# Altium PCB Layout.PcbDoc (part 1 of 4)
Units mil, origin at the board's own origin, x right, y up, seen from the top; angles counter-clockwise.
Board outline 11008.03 x 7942.91 mil, 4 copper layers (Top Layer, Mid 1, Mid 2, Bottom Layer), stack 23.712 mil thick; 525 components, 275 nets, 1569 pads, 373 vias.
Unrouted connection lines stored in the file: 16.
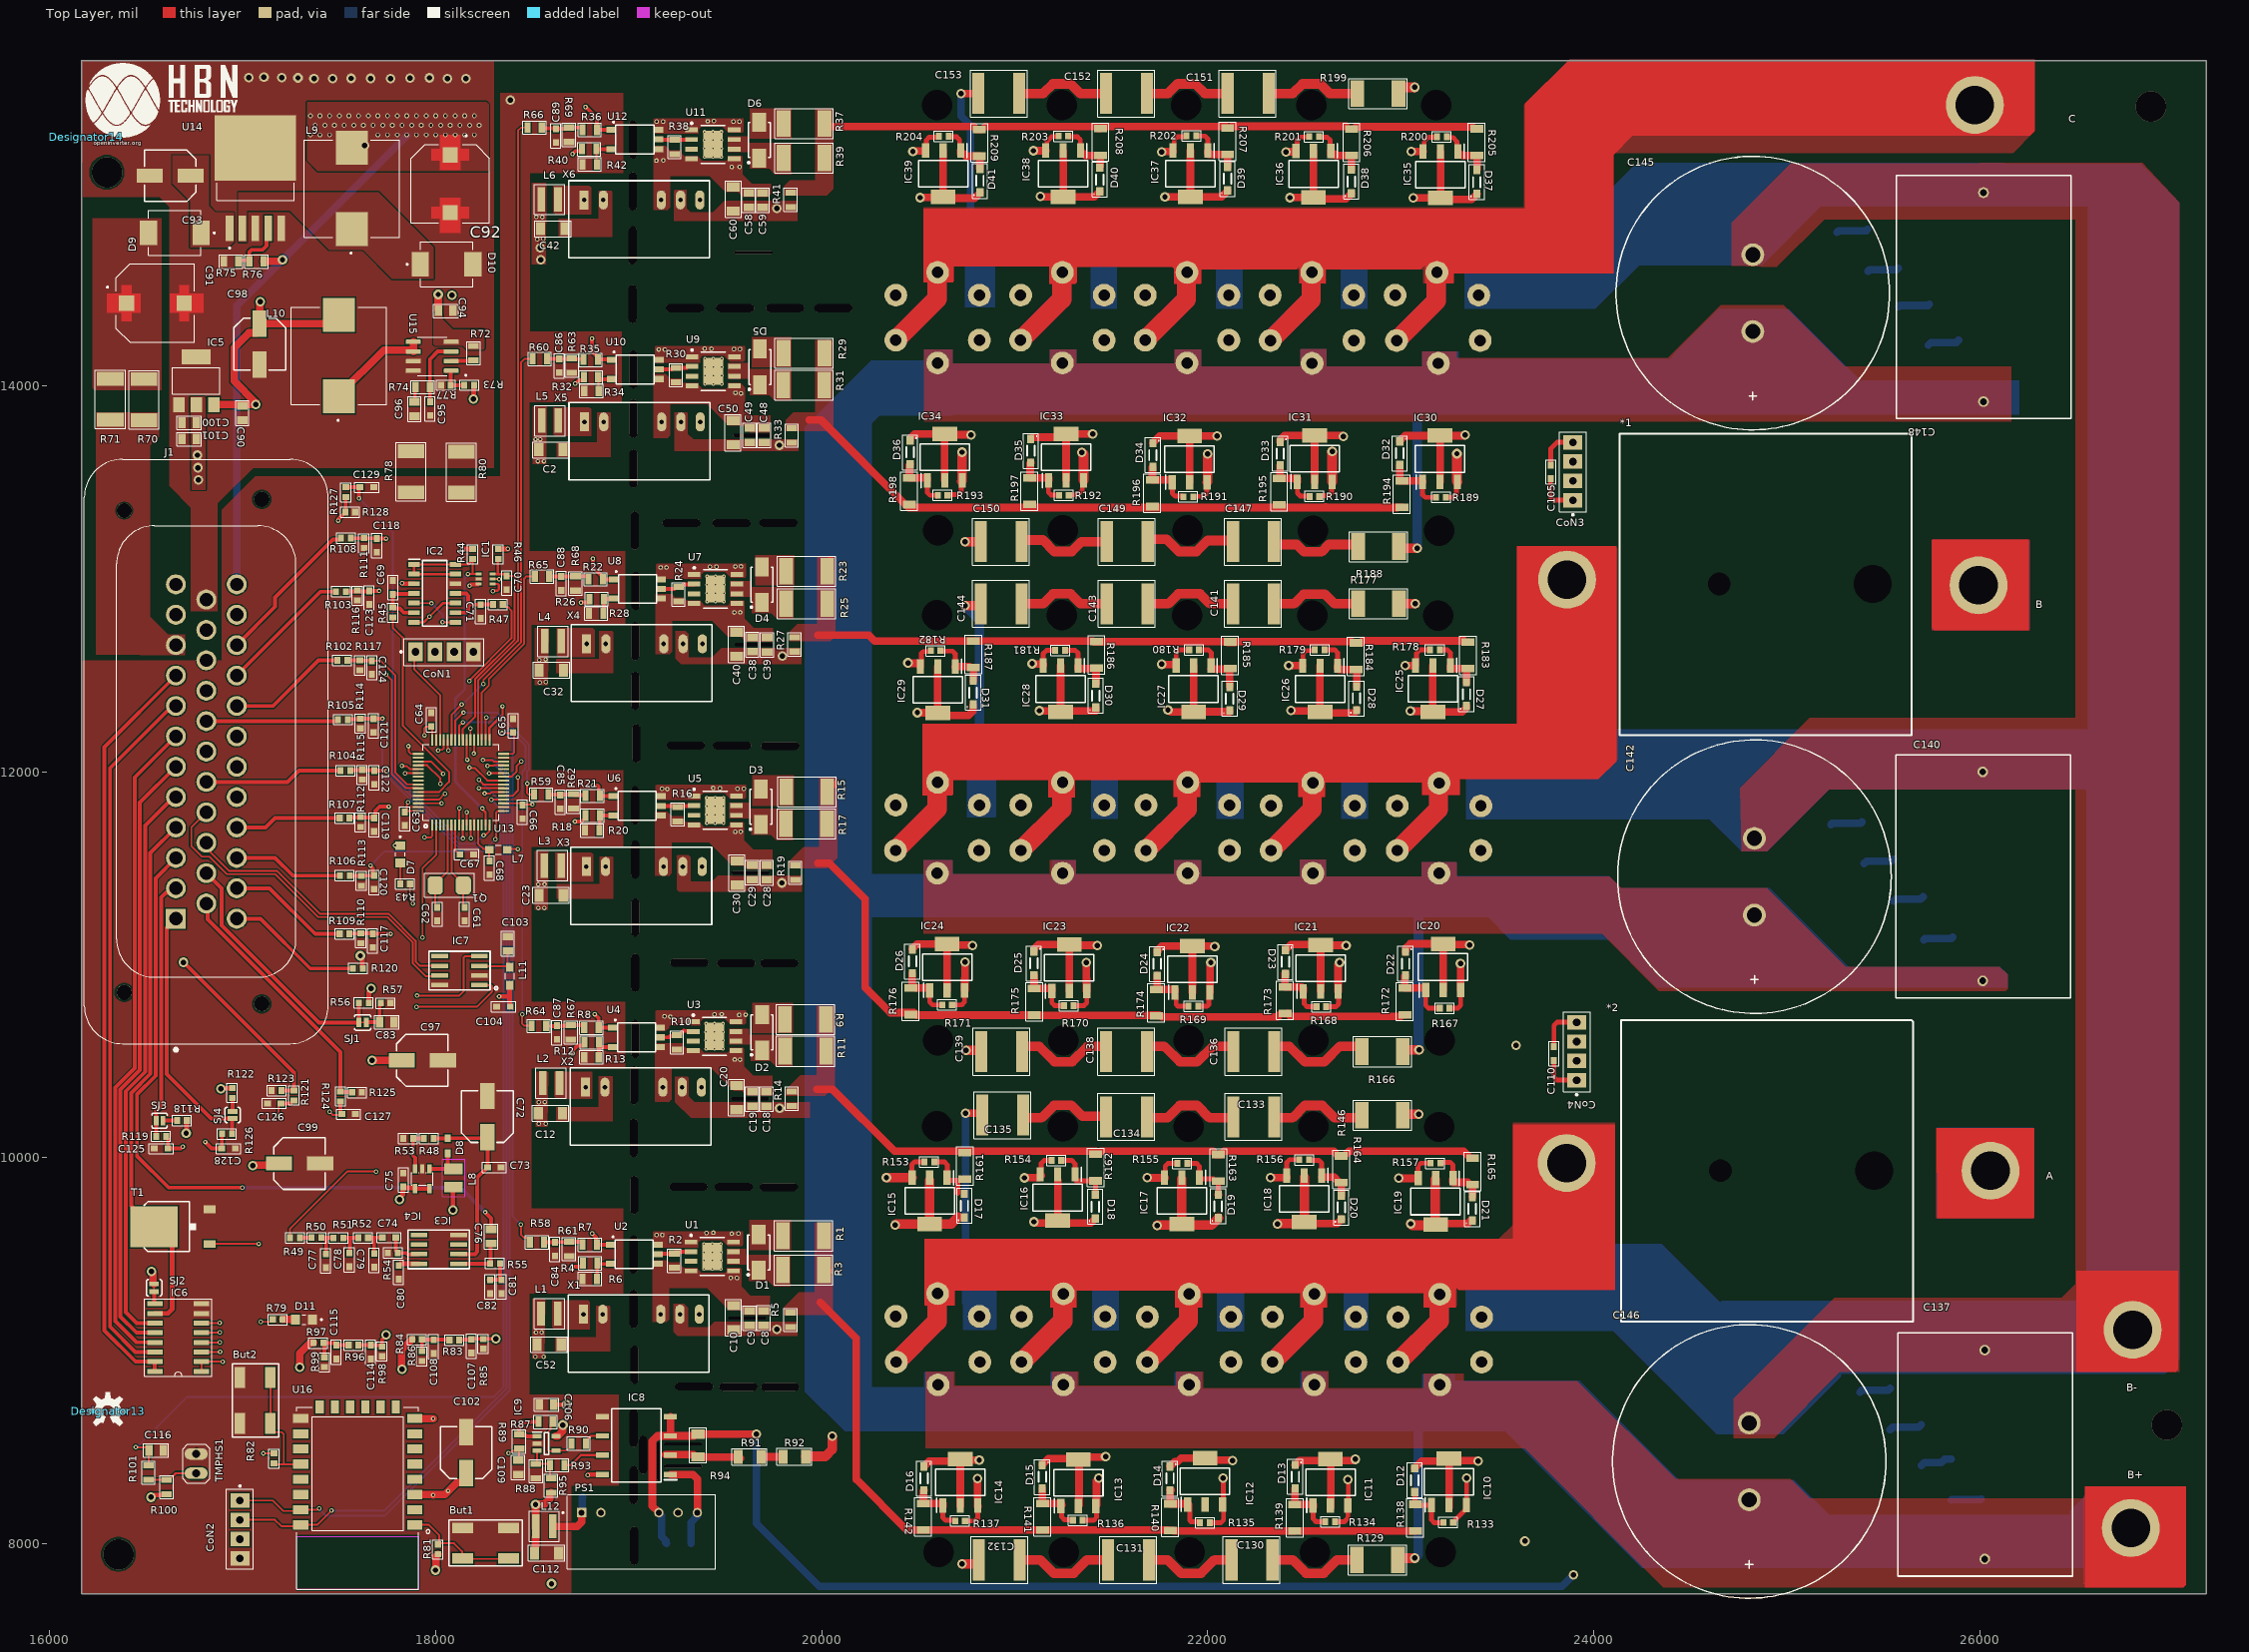
[diagram p0: Top Layer view]
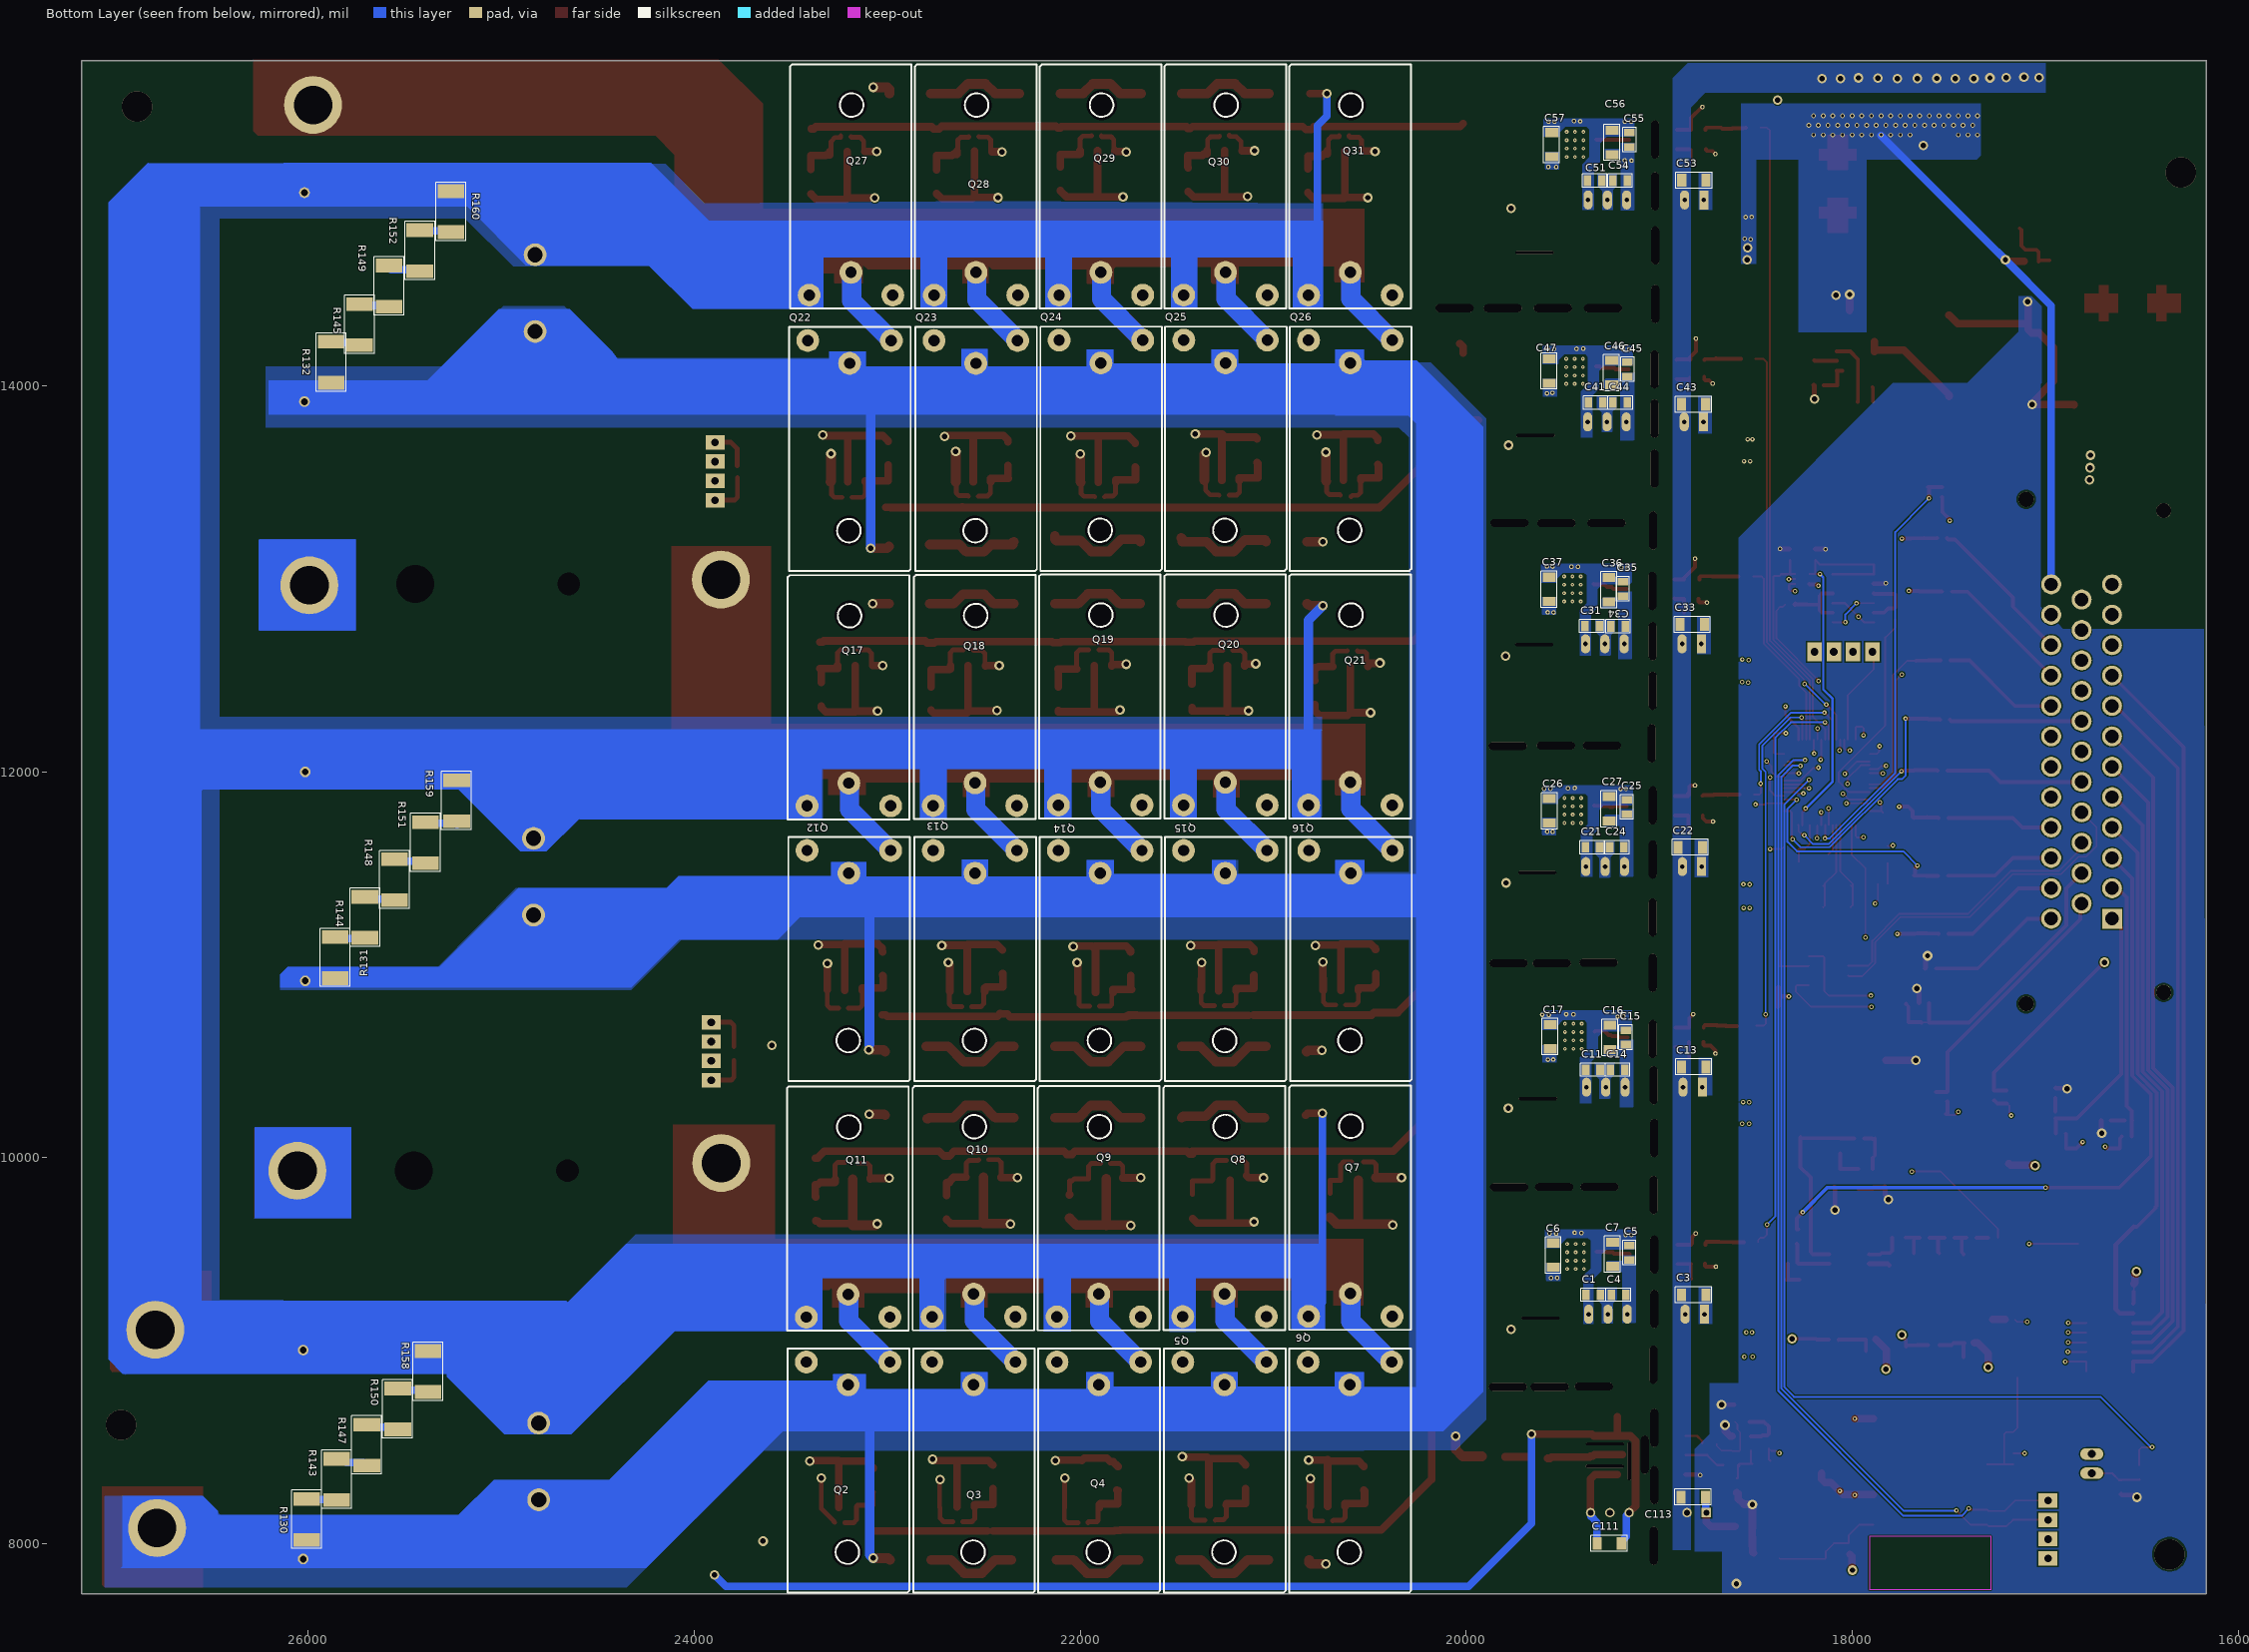
[diagram p1: Bottom Layer view, seen from below]
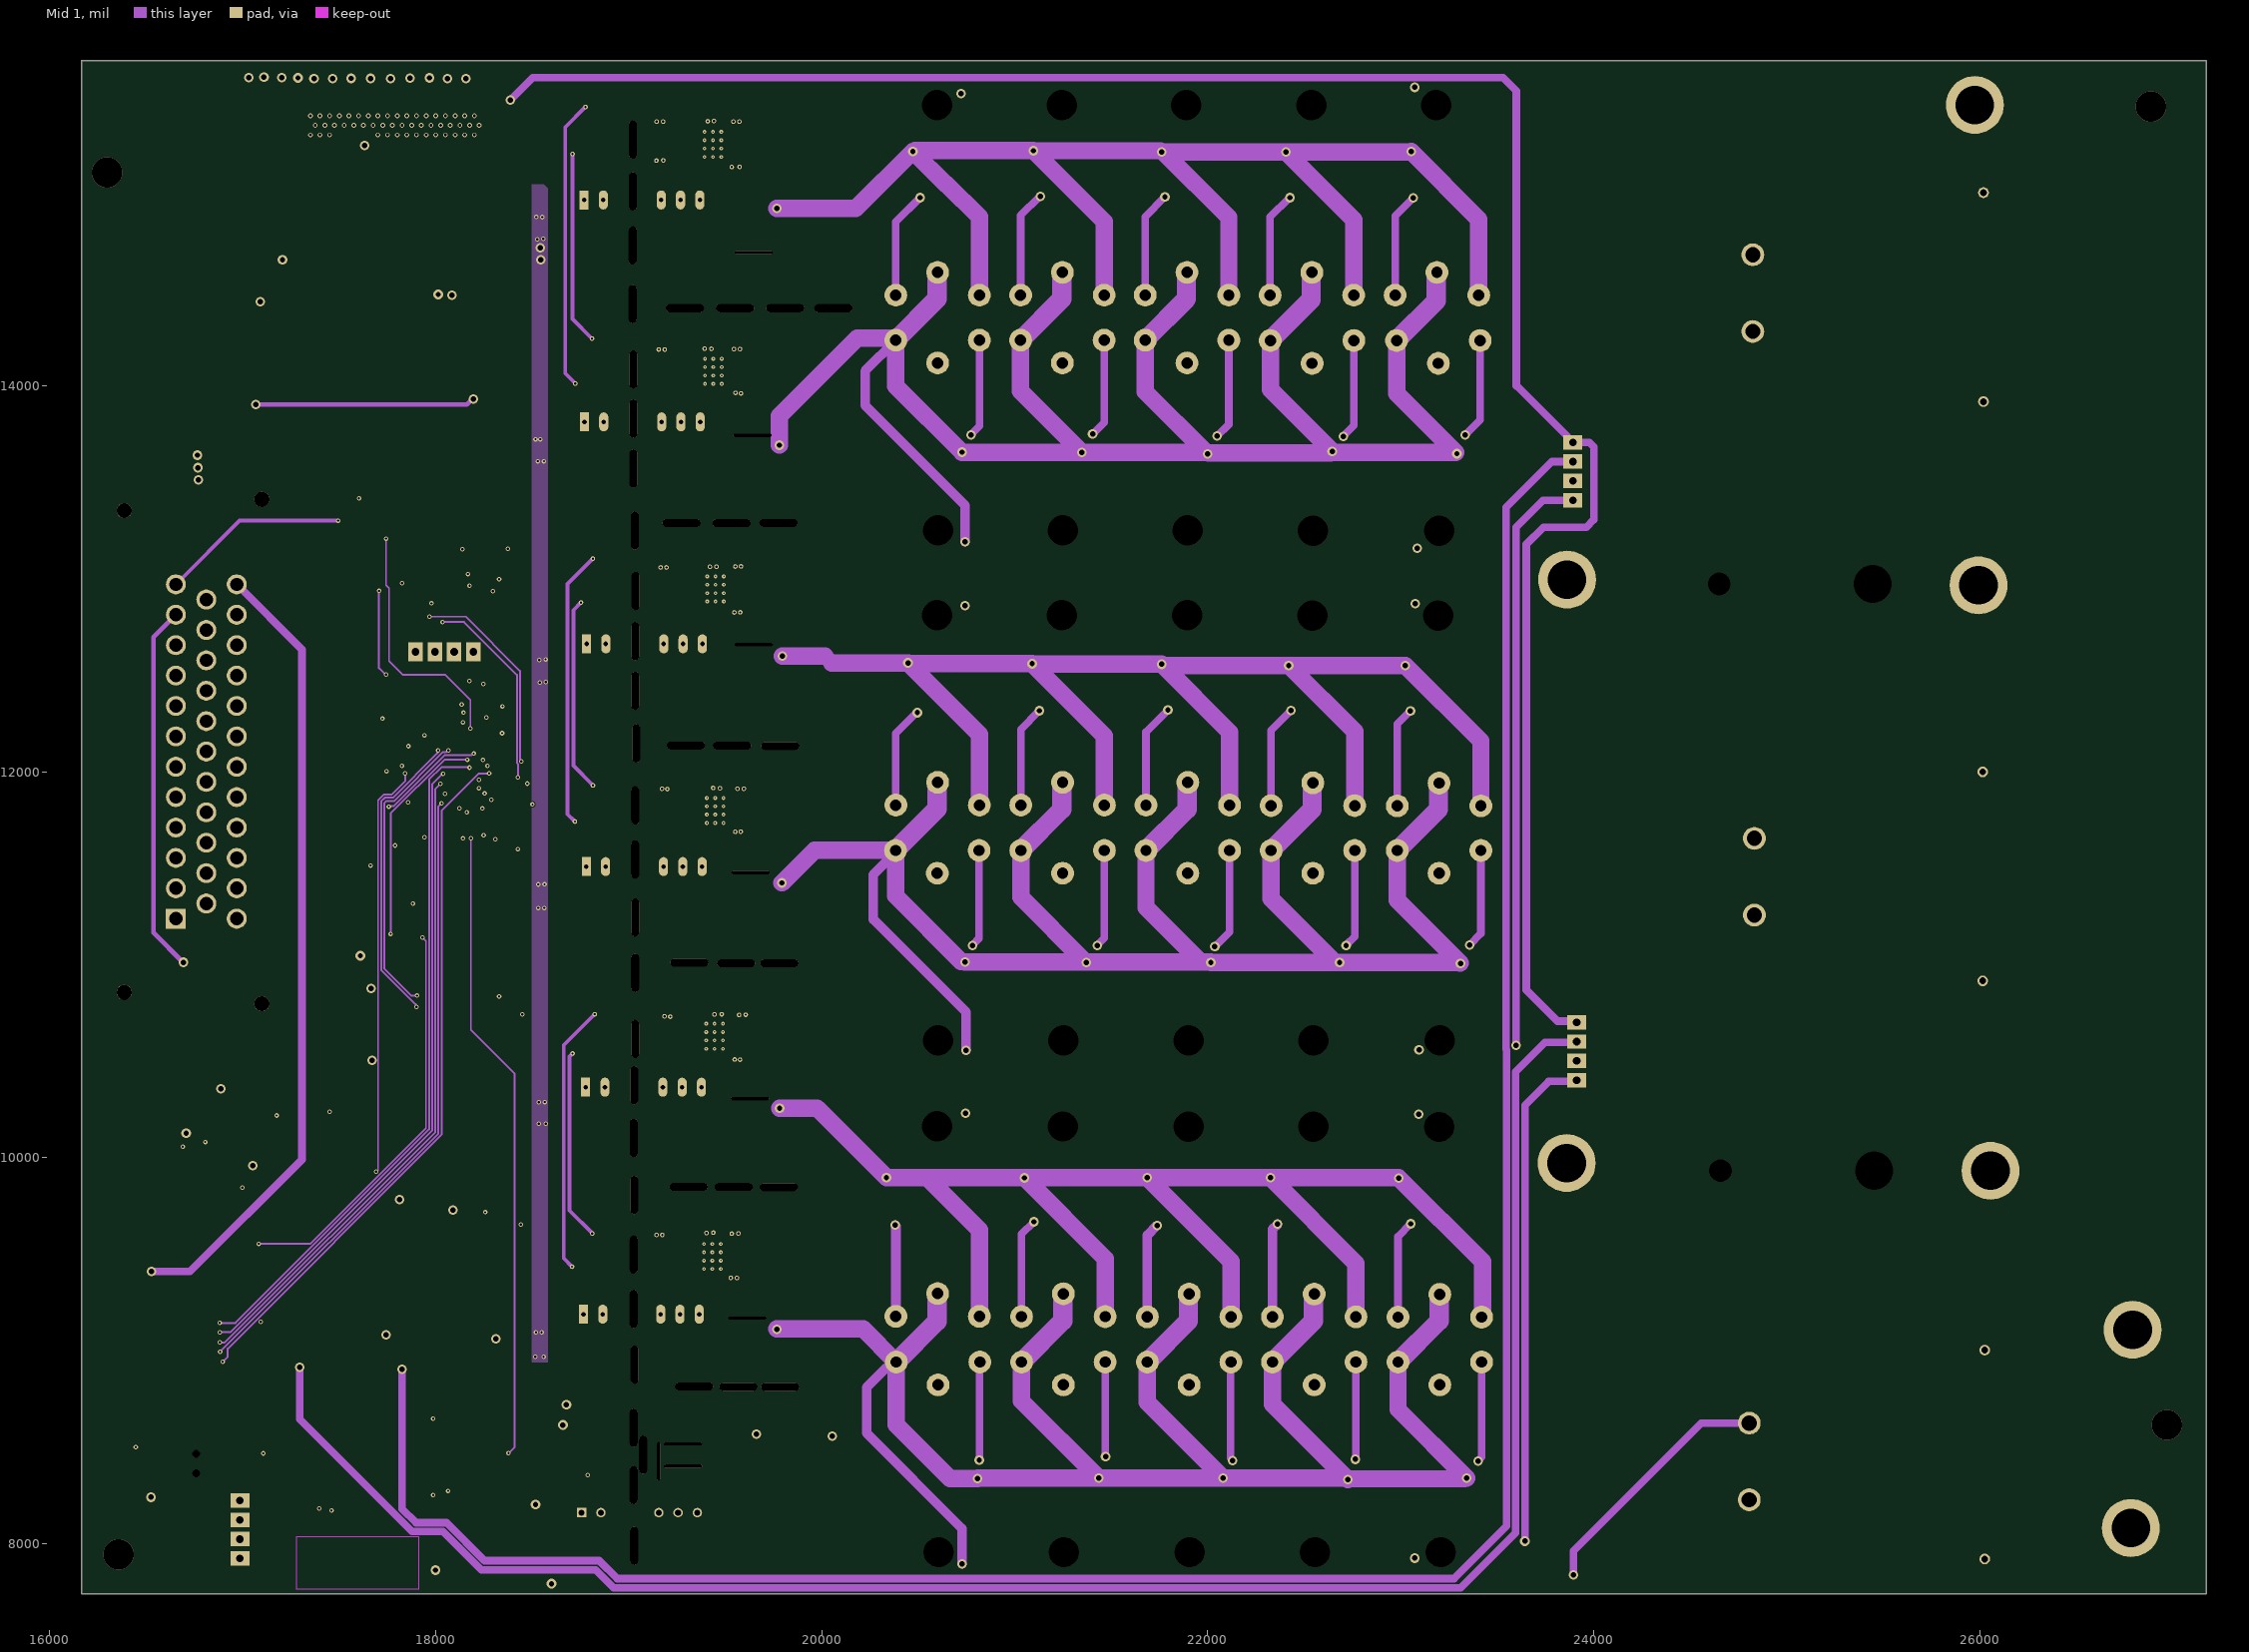
[diagram p2: Mid 1]